# Altium PCB Stabilizer.PCBDOC (part 8 of 8)
Units mil, origin at the board's own origin, x right, y up, seen from the top; angles counter-clockwise.
Board outline 6397 x 3937 mil, 4 copper layers (Top, GP1(GND), L3, Bot), stack 64.883 mil thick; 687 components, 419 nets, 2137 pads, 1042 vias.
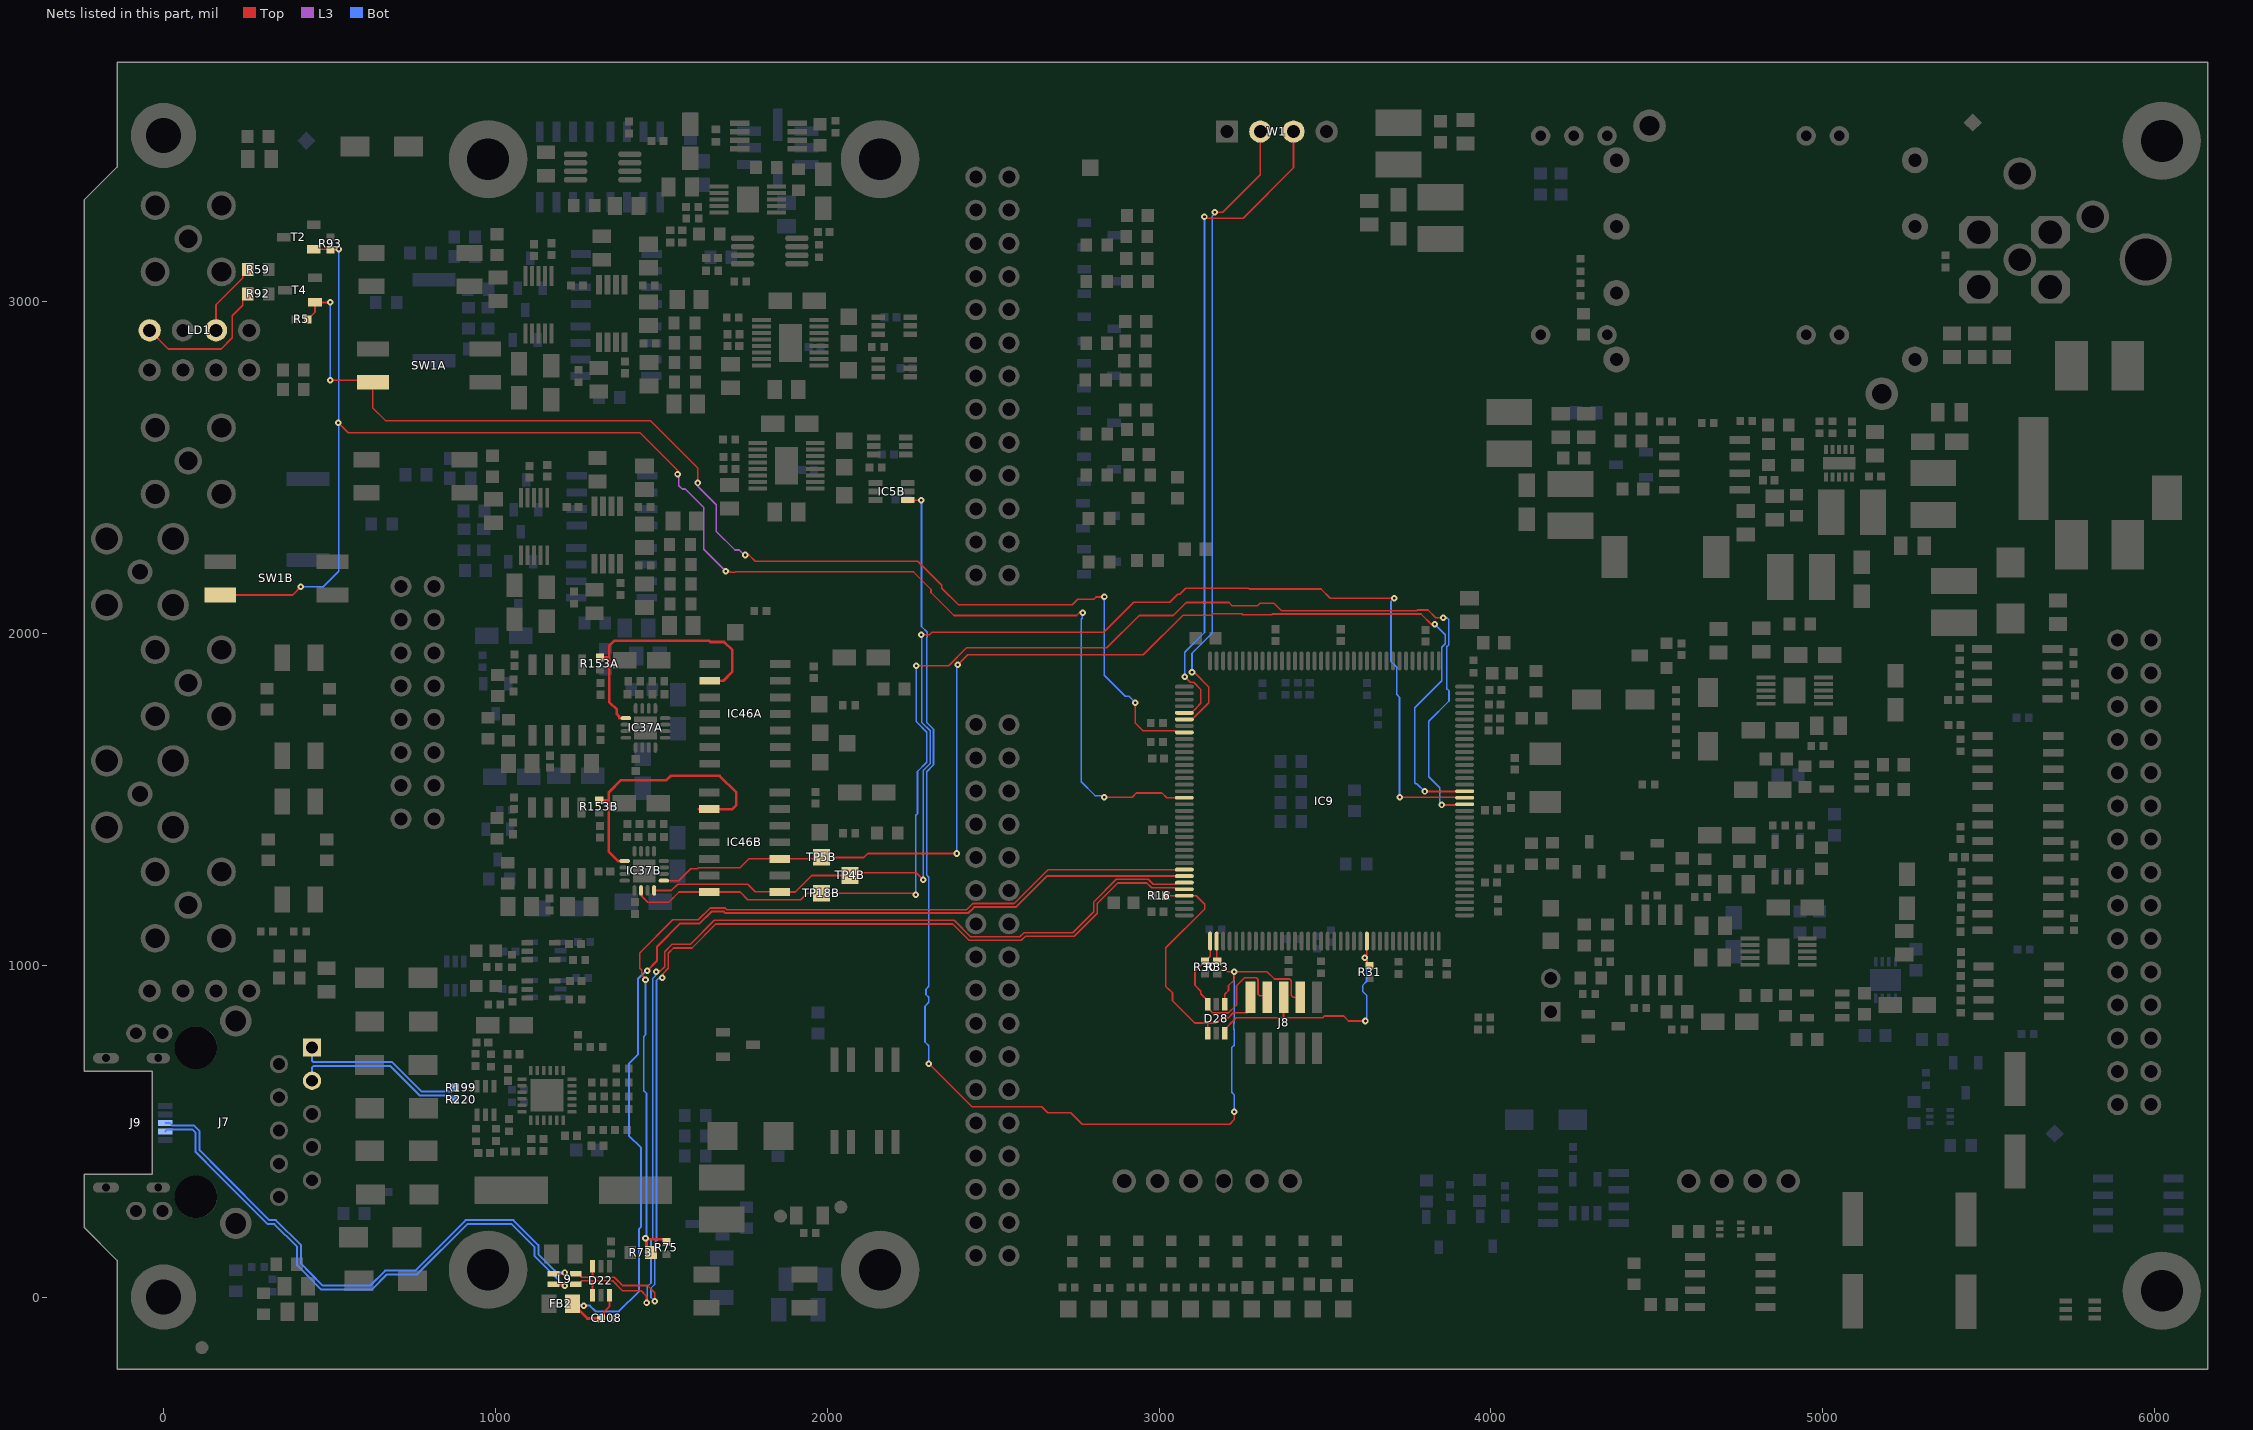
[diagram p10: the nets of this part, all layers, seen from the top]

## Via types
v1: diameter 19.68, hole 7.87, Top to Bot, tented both sides, 826 vias
v2: diameter 27.56, hole 19.68, Top to Bot, tented both sides, 83 vias
v3: diameter 19.68, hole 7.87, Top to Bot, 49 vias
v4: diameter 23.62, hole 11.81, Top to Bot, tented both sides, 41 vias
v5: diameter 50, hole 28, Top to Bot, tented both sides, 37 vias
v6: diameter 25.98, hole 12.99, Top to Bot, tented both sides, 5 vias
v7: diameter 39.37, hole 23.62, Top to Bot, tented both sides, 1 vias

## Nets (pads, with @x,y where several pads share a name; then routed paths per layer and width w, separated by ;. In a path a pad name is that pad's centre, name@x,y a point inside that pad or via, vN(x,y) a via of type N, cw(c..) or ccw(c..) an arc to the next point about the centre after c; other vN are vias at no path point) (continued)
SPI5_MOSI: IC9.20 IC37B.9 IC46B.10 TP5B.1 | length 3691.9
  Top w5: IC37B.9@1507.76,1254.73 1552.52,1254.73 1588.32,1290.54 1609.13,1290.54 1612.69,1294.1 1737.55,1294.1 1764.05,1320.6 1847.21,1320.6 1847.42,1320.39 1978.47,1320.39 TP5B.1@1982.81,1324.73 2110.15,1324.73 2122,1336.58 v1(2389.85,1336.58) ; v1(2393,1905) 2423,1935 2952.4,1935 3072.21,2054.81 3157.57,2054.81 3161.98,2059.21 3249.38,2059.21 3252.42,2056.17 3339.82,2056.17 3341.87,2058.22 3789.31,2058.22 3820.43,2027.09 v1(3830.83,2027.09) ; v1(3800,1523.5) 3919.68,1523.5 IC9.20@3920.4,1524.22
  Bot w5: v1(2389.85,1336.58) 2389.85,1897.88 2393,1901.03 v1(2393,1905) ; v1(3800,1523.5) 3776.76,1546.74 3773.67,1546.74 3770.58,1549.83 3770.58,1776.05 3851.28,1856.75 3851.28,1957.62 3862.35,1968.69 3862.35,1995.57 v1(3830.83,2027.09)
SPI5_NSS: IC9.18 IC37B.6 IC46B.7 TP18B.1 | length 3990.3
  Top w5: IC37B.6@1440.83,1227.17 1440.83,1207.75 1459.07,1189.51 1522.65,1189.51 1553.53,1220.39 1654.51,1220.39 1737.81,1220.39 1760.93,1197.27 1920.61,1197.27 1940.19,1216.86 TP18B.1@1982.71,1216.86 2258.17,1216.86 2263.03,1212 v1(2267,1212) ; v1(2267.92,1902.6) 2366.07,1902.6 2419.77,1956.3 2842.54,1956.3 2939.75,2053.51 3042.63,2053.51 3081.78,2092.66 3210.59,2092.66 3219.73,2083.51 3296.62,2083.51 3303.96,2090.86 3346.13,2090.86 3368.77,2068.22 3776.55,2068.22 3778.67,2070.34 3810.18,2070.34 3833.75,2046.77 v1(3856.06,2046.77) ; v1(3851.28,1482.81) 3918.36,1482.81 IC9.18@3920.4,1484.85
  Bot w5: v1(2267,1212) 2267,1451.86 2271.79,1456.65 2271.79,1583.45 2300.2,1611.85 2300.2,1702.26 2267.92,1734.53 v1(2267.92,1902.6) ; v1(3851.28,1482.81) 3846.06,1488.03 3846.06,1534.7 3812.8,1567.96 3812.8,1735.49 3873.41,1796.09 3873.41,1826.68 3866.84,1833.24 3866.84,1959.04 3872.35,1964.55 3872.35,2041.6 3867.17,2046.77 v1(3856.06,2046.77)
SPI5_SCK: IC9.19 IC37B.8 IC46B.8 TP4B.1 | length 3929.5
  Top w5: IC37B.8@1478.23,1225.2 1530.24,1225.2 1549.32,1244.29 1760.5,1244.29 1783.4,1221.38 1846.43,1221.38 1847.42,1220.39 1903.49,1220.39 1953.49,1270.39 TP4B.1@2068.71,1270.39 2077.14,1278.82 2268.05,1278.82 v1(2289,1257.87) v1@2285.03,1257.87 ; v1(2283.86,1996) 2308.1,1996 2315.73,2003.63 2833.3,2003.63 2923.18,2093.51 3032.08,2093.51 3056.59,2118.02 3062.11,2118.02 3080.31,2136.22 3268.97,2136.22 3271.53,2133.66 3487.64,2133.66 3515.46,2105.83 v1(3708.42,2105.83) ; v1(3724.53,1506.31) 3724.68,1506.16 3807.18,1506.16 3807.33,1506.31 3918.62,1506.31 IC9.19@3920.4,1504.53
  Bot w5: v1(2283.86,1996) 2285.27,1994.59 2285.27,1731.33 2310.2,1706.4 2310.2,1607.71 2289,1586.51 v1(2289,1257.87) ; v1(3708.42,2105.83) 3698.58,2096 3698.58,1915.22 3715.66,1898.15 3715.66,1816.43 3724.53,1807.55 v1(3724.53,1506.31)
TCK: D28.3 IC9.109 J8.4 R30.2 | length 550.1
  Top w5: IC9.109@3153.67,1072.45 3153.67,1026.73 R30.2@3138.52,1011.59 3108.03,981.1 3108.03,939.57 3125.88,921.72 3125.88,913.76 3146.63,893 3146.63,871.35 3156.85,861.13 3156.85,860.37 3161.24,855.97 3208.8,855.97 3233.06,880.24 3233.06,938.1 3257.33,962.37 3292.67,962.37 3297.8,957.24 3297.8,912.76 3302.93,907.63 3321.58,907.63 J8.4@3325.58,903.63
TD_N: J7.8 R220.2 | length 515.4
  Bot w6: J7.8@447.8,651.91 447.8,692.4 451.31,695.91 684.11,695.91 772.9,607.12 867.62,607.12 878.96,595.79 R220.2@878.96,595
TD_P: J7.10 R199.2 | length 515.4
  Bot w6: J7.10@447.8,751.91 447.8,711.43 451.31,707.91 689.08,707.91 777.87,619.12 867.62,619.12 878.96,630.46 R199.2@878.96,631.25
TDI: D28.1 IC5B.1 IC9.110 J8.8 R33.2 | length 3731.7
  Top w5: IC5B.1@2242.23,2401.41 2283.13,2401.41 v1(2283.86,2400.68) ; v1(2306.34,703.56) 2436.02,573.88 2646.48,573.88 2664.76,555.6 2733.4,555.6 2768.22,520.77 3212.77,520.77 3226.87,534.87 v1(3226.87,558.41) ; IC9.110@3173.35,1072.45 3173.35,1013.31 R33.2@3175.07,1011.59 3205.96,980.7 v1(3226.14,980.7) ; D28.1@3197.82,882.18 3197.82,912.44 3209.16,923.79 3209.16,938.66 3226.14,955.64 v1(3226.14,980.7) ; J8.8@3425.58,903.63 3403.51,903.63 3398.38,908.76 3398.38,953.24 3393.25,958.37 3347.44,958.37 3325.12,980.7 v1(3226.14,980.7)
  Bot w5: v1(2283.86,2400.68) 2283.86,2020.53 2301.2,2003.18 2301.2,1988.82 2299.66,1987.27 2299.66,1731.08 2320.2,1710.54 2320.2,1603.57 2299.66,1583.03 2299.66,1271.74 2306.34,1265.06 2306.34,936.43 2297.66,927.75 2297.66,911.82 2306.34,903.13 2306.34,887.87 2294.66,876.18 2294.66,768.82 2306.34,757.13 v1(2306.34,703.56) ; v1(3226.14,980.7) 3226.14,826.07 3224.98,824.91 3224.98,807.28 3226.14,806.12 3226.14,758.95 3219,751.81 3219,616.91 3226.87,609.04 v1(3226.87,558.41)
TDO: D28.6 IC9.133 J8.6 R31.2 | length 797.6
  Top w5: D28.6@3192.65,801.23 3232.62,841.19 3363.31,841.19 3364.15,842.03 3375,842.03 ; J8.6@3375.58,903.63 3375,903.05 3375,842.03 ; v1(3621.76,831.84) 3570.73,831.84 3555.88,846.69 3497.45,846.69 3492.79,842.03 3375,842.03 ; IC9.133@3626.11,1072.45 3626.11,1006.23 R31.2@3634.39,997.95
  Bot w5: v1(3621.76,831.84) 3626.11,836.19 3626.11,908.43 3613.11,921.43 3613.11,939.06 3626.11,952.06 v1@3626.11,1023
  other v1: 3620,1023
TERM0: LD1.1 R92.1 | length 431.9
  Top w5: LD1.1@-41.57,2912.92 14.76,2856.58 173.77,2856.58 207.68,2890.49 207.68,2957.29 238.74,2988.35 R92.1@238.74,3022.92
TERM1: LD1.3 R59.1 | length 216.1
  Top w5: LD1.3@158.43,2912.92 158.43,2990.12 238.74,3070.43 R59.1@238.74,3095.76
TERM_STAT0: IC9.80 R5.2 SW1A.2 T4.1 | length 3677.7
  Top w5: R5.2@434.41,2945.77 456.46,2967.81 T4.1@456.46,2996.95 501.43,2996.95 v1(502.21,2997.73) ; v1(503,2763) SW1A.2@624.7,2763 ; SW1A.2@630.91,2756.79 630.91,2679.07 668.98,2641 1467,2641 1610,2498 v1(1610,2453) ; v1(1753,2236) 1764.05,2236 1783.05,2217 2272.96,2217 2344.85,2145.11 2344.85,2136.05 2395.27,2085.63 2737.99,2085.63 2754.86,2102.5 2802.97,2102.5 2809.82,2109.34 2824.18,2109.34 2829.46,2104.07 v1(2835.39,2110) ; v1(2928.09,1790.66) 2928.09,1729.63 2951.22,1706.5 3046.31,1706.5 3051.43,1701.38 IC9.80@3075.91,1701.38
  L3 w5: v1(1610,2453) 1610,2443 1666,2387 1666,2307 1721.95,2251.05 1734.82,2251.05 1751.61,2234.27 1753,2235.66 v1(1753,2236)
  Bot w5: v1(502.21,2997.73) 502.21,2763.79 v1(503,2763) ; v1(2835.39,2110) 2834,2108.61 2834,2099.53 2834.34,2099.18 2834.34,1873.83 2897.85,1810.33 2909.14,1810.33 2928.09,1791.37 v1(2928.09,1790.66)
TERM_STAT1: IC9.90 R93.2 SW1B.2 T2.1 | length 4881.8
  Top w5: SW1B.2@171.02,2115.65 389.08,2115.65 v1(413.43,2140) ; T2.1@452.8,3156.74 502.21,3156.74 R93.2@503,3155.96 527.32,3155.96 v1(528.11,3156.74) ; v1(527,2634) 556.84,2604.16 1435.84,2604.16 1549,2491 v1(1549,2479) ; v1(1694,2187) 1698.66,2191.66 1699.82,2191.66 1707.82,2183.66 1722.18,2183.66 1723.53,2185 2259.71,2185 2312.85,2131.85 2312.85,2122.79 2382.01,2053.63 2751.25,2053.63 2760.12,2062.5 v1(2770.5,2062.5) ; v1(2835,1506.43) 2918.72,1506.43 2931.29,1519 3008.46,1519 3022.93,1504.53 IC9.90@3075.91,1504.53
  L3 w5: v1(1549,2479) 1552.66,2475.34 1552.66,2444.82 1562.82,2434.66 1572.49,2434.66 1628,2379.15 1628,2253 v1(1694,2187)
  Bot w5: v1(413.43,2140) 481,2140 528.11,2187.11 v1(528.11,3156.74) ; v1(2770.5,2062.5) 2768.52,2060.52 2768.52,2045.16 2765.5,2042.13 2765.5,1552.27 2806.72,1511.05 2826.4,1511.05 2831.03,1506.43 v1(2835,1506.43)
TMS: D28.4 IC9.105 J8.2 R16.2 | length 825.8
  Top w5: R16.2@3019.58,1209.26 IC9.105@3075.91,1209.26 3112.25,1209.26 3137.54,1183.96 3137.54,1169.59 3020.45,1052.5 3020.45,935.82 3030.61,925.66 3031.44,925.66 3040.31,916.78 3040.31,893.31 3107.56,826.06 3149.73,826.06 ; D28.4@3146.63,795.56 3146.63,822.97 3149.73,826.06 ; J8.2@3275.58,903.63 3266.6,894.65 3266.6,856.37 3223.33,856.37 3207.96,841 3187.16,841 3172.23,826.06 3149.73,826.06
USART3_RX: IC9.78 W1.2 | length 1940.4
  Top w5: IC9.78@3075.91,1740.75 3100.15,1740.75 3149.88,1790.48 3149.88,1838.31 3107.3,1880.89 3100.97,1880.89 v1(3099.12,1882.74) ; v1(3167.09,3268.28) 3191.73,3268.28 3304.88,3381.43 W1.2@3304.88,3511.77
  Bot w5: v1(3099.12,1882.74) 3099.12,1913.99 3098.92,1914.19 3098.92,1939.65 3160.21,2000.93 3160.21,3257.42 3167.09,3264.3 v1(3167.09,3268.28)
USART3_TX: IC9.77 W1.3 | length 2021.8
  Top w5: IC9.77@3075.91,1760.44 3097.82,1760.44 3111.95,1774.57 3111.95,1775.04 3125.88,1788.96 3125.88,1830.81 3104.1,1852.59 3093.41,1852.59 v1(3077,1869) ; v1(3136.69,3255.44) 3141.2,3250.93 3253.13,3250.93 3404.88,3402.69 W1.3@3404.88,3511.77
  Bot w5: v1(3077,1869) 3077,1942.52 3136.69,2002.21 v1(3136.69,3255.44)
USB_ID: C108.2 D22.6 FB2.1 IC9.102 | length 3184.8
  Top w6: FB2.1@1232.92,-20.15 1239.77,-27 1240.77,-26 v1(1266.89,-26) ; C108.2@1318.66,-64.44 1327.87,-55.23 1327.87,-44.68 1343.77,-28.77 D22.6@1343.77,5.69 ; v1(1458.04,983.73) 1487.14,1012.83 1487.14,1056.14 1557,1126 1615.7,1126 1651.43,1161.73 1688.3,1161.73 1693.14,1156.9 2424.1,1156.9 2442.45,1175.24 2568.3,1175.24 2662.29,1269.23 3074.99,1269.23 IC9.102@3075.91,1268.31
  Top w8: FB2.1@1239.77,-27 1277.21,-64.44 C108.2@1318.66,-64.44
  Bot w6: v1(1266.89,-26) 1285,-26 1301.79,-42.79 1372.44,-42.79 1433,17.77 1433,205.83 1439,211.83 1439,450 1402.56,486.44 1402.56,703.56 1429.16,730.16 1429.16,958.43 1454.46,983.73 v1(1458.04,983.73)
USB_N: D22.4 IC9.103 L9.2 | length 3117.8
  Top w5: L9.2@1242.44,38.53 1252.28,38.53 1257.65,43.91 1257.65,45.85 1260.58,48.78 1294.2,48.78 ; D22.4@1292.59,5.69 1292.59,47.18 1294.2,48.78 ; D22.4@1297.43,18.96 D22.4@1298.5,17.9 ; v1(1455.51,-17.16) 1455.51,2.61 1439.16,18.96 1383.38,18.96 1364.37,37.97 1364.37,38.22 1353.81,48.78 1294.2,48.78 ; v1(1485.18,979.98) 1487.6,982.41 1497.28,982.41 1510.12,995.25 1510.12,1040.88 1532.11,1062.87 1587.83,1062.87 1660.02,1135.07 2382.32,1135.07 2431.65,1085.74 2580.4,1085.74 2592.75,1098.09 2739.62,1098.09 2802.84,1161.31 2802.84,1190.4 2871.16,1258.73 2967.65,1258.73 2982.09,1244.29 3047.09,1244.29 3051.43,1248.63 IC9.103@3075.91,1248.63
  Bot w5: v1@1458.04,-25.14 1458.04,31.65 1468.79,42.4 1468.79,169.23 1474.53,174.97 1474.53,959.66 1482.75,967.88 1482.75,977.56 v1(1485.18,979.98)
USB_P: D22.3 IC9.104 L9.3 | length 3109.7
  Top w5: L9.3@1242.44,70.03 1252.28,70.03 1257.65,64.66 1257.65,62.71 1260.58,59.78 1291.54,59.78 ; D22.3@1292.59,92.31 1292.59,60.84 1291.54,59.78 ; v1(1480.2,-12.4) 1480.2,12.83 1458.28,34.75 1383.15,34.75 1378.69,39.21 1378.69,39.72 1372.41,46 1372.15,46 1358.37,59.78 1291.54,59.78 ; v1(1502.63,962.53) 1505.06,964.95 1505.06,974.63 1521.12,990.69 1521.12,1036.33 1536.67,1051.87 1592.38,1051.87 1664.58,1124.07 2377.76,1124.07 2427.09,1074.74 2584.95,1074.74 2597.31,1087.09 2744.17,1087.09 2813.84,1156.75 2813.84,1185.85 2875.72,1247.73 2963.09,1247.73 2977.54,1233.29 3047.09,1233.29 3051.43,1228.94 IC9.104@3075.91,1228.94
  Bot w5: v1(1480.2,-12.4) 1469.04,-1.23 1469.04,27.09 1479.79,37.85 1479.79,164.68 1485.53,170.42 1485.53,955.1 1490.53,960.1 1500.21,960.1 v1(1502.63,962.53)
USBJ_N: J9.2 L9.1 | length 1681.3
  Top w6: L9.1@1175.51,38.53 1205.03,38.53 v1(1208.97,34.6)
  Bot w6: J9.2@5.67,499.54 11.53,505.39 86.24,505.39 96.65,494.98 96.65,437.2 162.5,371.35 260.53,273.31 314.11,219.73 333.83,219.73 402.5,151.06 402.5,95.57 432.59,65.48 475.53,22.54 627.2,22.54 672.6,67.94 763.64,67.94 915.43,219.73 1049.24,219.73 1073.2,195.77 1117.67,151.31 1117.67,124.41 1207.48,34.6 v1(1208.97,34.6)
USBJ_P: J9.3 L9.4 | length 1670.7
  Top w6: L9.4@1175.51,70.03 1205.03,70.03 v1(1208.97,73.97)
  Bot w6: J9.3@5.67,525.13 18.46,525.13 26.2,517.39 91.21,517.39 108.65,499.95 108.65,442.17 170.98,379.83 319.08,231.73 338.8,231.73 414.5,156.03 414.5,100.54 441.08,73.97 480.5,34.54 622.23,34.54 667.63,79.94 758.67,79.94 910.46,231.73 1054.21,231.73 1081.68,204.26 1129.67,156.28 1129.67,129.38 1179.1,79.94 1185.08,73.97 v1(1208.97,73.97)
VBUS_DET: IC9.101 R73.1 R75.2 | length 2739.9
  Top w5: v1(1452.45,956.49) 1452.45,960.46 1447.56,965.35 1440.7,972.21 1440.7,984.83 1435.09,990.43 1435.09,1036.62 1534.97,1136.5 1611.35,1136.5 1647.09,1172.23 1692.65,1172.23 1697.49,1167.4 2419.76,1167.4 2438.1,1185.74 2563.95,1185.74 2665.41,1287.19 3075.1,1287.19 IC9.101@3075.91,1288
  Top w8: R73.1@1469.14,133.95 1455.42,147.67 1455.42,170.56 1452.44,173.54 v1(1452.44,176.7) 1454.67,174.47 1462.77,174.47 1462.97,174.27 1502.66,174.27 1502.97,173.96 1508.13,173.96 R75.2@1515.55,166.54
  Bot w5: v1(1452.44,176.7) 1455.28,179.54 1455.28,613.81 1447,622.09 1447,784.58 1452.45,790.03 v1(1452.45,956.49)
VOUTA: IC37A.1 IC46A.2 R153A.1 | length 804.2
  Top w8: R153A.1@1314.8,1927.09 1343.7,1927.09 ; IC37A.1@1395.35,1744.41 1373.88,1744.41 1372.94,1745.35 1372.94,1749.9 1365.84,1757 1365.84,1769.86 1343.7,1792 1343.7,1927.09 ; IC46A.2@1656.06,1857.07 1687.04,1857.07 1714.27,1884.31 1714.27,1949.02 1689.31,1973.97 1648.02,1973.97 1644.49,1977.5 1358.01,1977.5 1343.7,1963.19 1343.7,1927.09
VOUTB: IC37B.1 IC46B.2 R153B.1 | length 852
  Top w8: R153B.1@1313.03,1496.46 1341.93,1496.46 ; IC37B.1@1393.59,1313.79 1369.8,1313.79 1341.93,1341.66 1341.93,1496.46 ; 1613.78,1470.39 1713.99,1470.39 1726.12,1482.53 1726.12,1520.07 1675.69,1570.49 1528.53,1570.49 1515.41,1557.37 1378.2,1557.37 1341.93,1521.11 1341.93,1496.46
pads on no net: CON1.9 D2.2 D4.2 D5.2 D6.2 D22.1 D26.1 D26.6 D30.1 D30.6 FTG1.FTG2 FTG2.1 FTG3.1 FTG4.1 IC1A.4 IC1B.4 IC3.9 IC6.5 IC9.7 IC9.26 IC9.55 IC9.98 IC9.114 IC9.132 IC13.4 IC16.4 IC17.4 IC17.5 IC17.6 IC17.9 IC19.4 IC24.1 IC29.3 IC29.4 IC29.6 IC30.5 IC30.6 IC35.1 IC36.3 IC36.5 IC36.6 IC37A.7 IC37B.7 IC38A.13 IC38A.15 IC38B.13 IC38B.15 IC39.3 IC39.4 IC39.6 IC46A.9 IC46B.9 IC48.1 IC48.2 IC48.3 IC48.7 J4.14 J7.MH1 J7.MH2 J8.7 J14.2 RN5A.2 RN5A.7 RN5B.2 RN5B.7

## Polygon pours and split planes (outlines as drawn)
no net on Top "balancing_top" (solid, pour order 74): -116.75,3632 5349.86,3632 5349.86,2900.17 5117.55,2900.17 5113.38,2352.46 4554.24,2352.46 4552.47,2113.47 4600.53,2070.34 5117.55,2068.14 5113.38,1977.27 5927.93,1979.79 5927.93,1650.19 5999.44,1555.05 6000.53,794.79 5790.24,580 4580,580 4447,463.69 4447,-165.38 -115.97,-165.38 -122.17,124.38 -225,220.51 -225,3297.49 -122.17,3400.32
P12V0 on Top "d" (solid, remove dead copper, pour order 2): 4601,-12.4 4674.6,-12.4 4732.76,45.76 4732.76,217.08 4711.84,238 4675,238 4625,288 4625,433 4638,446 4983,446 5078.67,350.33 5190.98,350.33 5208.01,367.36 5529.29,367.36 5529.29,147.3 5765.38,147.3 5765.38,-18.1 6135.5,-18.1 6135.5,2542.05 5674,2545.16 5674,2424.02 5231.65,2423.05 5231.65,1988 5938.65,1988 5938.65,1674.82 6017.39,1596.08 6017.39,1399.23 6017.39,786.67 5795.55,564.83 5252.96,564.83 4573.83,564.83 4464,455 4464,37.81 4516,-14.19 4530,-14
P12V0POE on Top "Top-NetC90_1" (solid, remove dead copper, pour order 42): 4893,-50 5082.6,139.6 5504,139.6 5504,355.66 5222.68,355.9 5207.78,341 5068.24,341 4965.24,444 4654.07,444 4633,422.93 4633,299.64 4717,215.64 4717,-12 4755,-50
GND on Top "Top-GND" (solid, remove dead copper, pour order 54): 5106.13,90.13 5606.87,90.13 5642,55 5642,-97 4967,-97 4943,-73
N12V0A on Top "ML1_BAL" (solid, remove dead copper, pour order 20): 4989.06,874.37 4989.06,788.2 4957.12,756.26 4954.16,753.3 4627,753.3 4627,960.94 4907.19,960.94
P2V5A on Top "Top-P2V5A" (solid, remove dead copper, pour order 44): 4303,1526 4401.05,1526 4427.05,1500 4839,1500 4892,1447 4892,1337.22 4851.78,1297 4638,1297 4638,1328.53 4572.53,1394 4330,1394 4282,1442 4282,1509.67 4298,1525.67
P12V0A on Top "ML1_BAL" (solid, remove dead copper, pour order 22): 4859.68,1950.26 4859.67,2050.55 4664.79,2050.55 4563.32,1949.07 4563.32,1778.71 4676.32,1665.7 4836.05,1665.7 4842.94,1665.7 4858.69,1681.45 4859.68,1682.44 4859.68,1739.52
P12V0FIL on Top "Top Overlay-No Net" (solid, remove dead copper, pour order 18): 5559.31,2870.88 5559.31,2431.66 5136,2431.66 5136,2870.88
P3V3 on Top "Top-P3V3" (solid, remove dead copper, pour order 46): 4902.61,2335 4942,2295.61 4942,2109 4912.09,2079.09 4608.91,2079.09 4558,2130 4558,2319 4574,2335
P12V0F on Top "Top-P12V0F" (solid, remove dead copper, pour order 26): 5820.27,2702 5820.27,3147.27 5890.54,3217.54 5890.54,3290 5826,3343 5587,3343 5587,2965 5366,2965 5366,3539 6146,3539 6146,2871 5977,2702
GNDF on Top "Top-GNDF" (solid, remove dead copper, pour order 24): 5603,2725.62 5629.62,2699 5811.21,2699 5811.21,3143.21 5882,3214 5882,3283 5829,3330 5603,3330
GND on L3 "GND_L03_P052" (solid, remove dead copper, pour order 52): -120.32,-197.31 5583,-197.31 5583,465 6002.36,465 5987.21,2134 5450.17,2134 5447,2430.64 6129,2430.64 6129,3690 -120.32,3690.48 -120.32,3401.11 -218.74,3302.69 -218.74,212.83 -120.32,114.4 -120.32,69 557.76,69 734.36,245.6 734.36,261.39 495,500.74 495,1032.75 495,3198.46 516.32,3219.78 2586.29,3219.78 2611.41,3194.65 3707.5,3194.65 4471.52,2430.64 4663.15,2430.64 4734.68,2359.11 4734.68,2335.36 4904.78,2165.25 4904.78,2086.4 4912.09,2079.09 5550.78,2079.09 5834.41,1795.46 5834.41,516.19 5809.89,491.66 5027.33,491.66 4836.05,682.94 4836.05,766.31 4702.31,766.31 4237.91,301.91 3490.86,301.91 3192.91,301.91 2723.21,-167.79 1519.22,-167.79 1519.22,190.23 817.56,190.23 763.78,244.01 745.83,244.01 745.83,241.4 560.1,55.68 -115.99,55.68 -120.32,60
P3V3 on L3 "L3-P3V3" (solid, remove dead copper, pour order 32): 1118,446 1118,1066.12 1134.1,1082.21 1533.27,1082.21 1664,1212.94 1664,1950 1861,2147 2305,2147 2399,2241 2399,3182 3701,3182 4468,2415 4658,2415 4710,2363 4710,2325 4715.14,2325 4969.14,2071 5548,2071 5824,1795 5824,523 5794,493 5787,500 5029,500 4872,657 4872,1882 4649,1882 4624.88,1857.88 4624.88,1249.25 4170.26,794.63 2480.35,794.63 2131.72,446
P12V0 on L3 "ML1_BAL" (solid, remove dead copper, pour order 14): 5596.41,447 6001.73,447 6001.73,491.66 6001.73,2088.12 5944.65,2145.2 5461.62,2145.2 5461.62,2412.23 6139.53,2412.23 6139.53,149 5596.41,149
P12V0A on L3 "P12V0A_L03_P060" (solid, remove dead copper, pour order 60): 1115.96,3185.87 1115.96,2186.97 943.91,2014.92 943.91,1775.66 951.62,1775.66 1016.69,1710.59 1016.69,1330.25 715.52,1029.08 715.52,451.25 883.77,283 2552.26,283 2760.92,491.66 4177.05,491.66 4540.53,855.13 4723.64,855.13 4759.45,890.94 4755,895.39 4755,978.06 4695,1038.06 4695,1288.23 4631.5,1351.73 4638,1358.23 4638,1805.44 4685.24,1852.68 4815.32,1852.68 4864,1804 4864,858.69 4785.81,780.5 4680.53,780.53 4234.18,334.18 3579.04,334.18 3488.49,424.73 2879.69,424.73 2800.33,345.38 2800.33,184.46 2586.61,-29.27 2346.62,-29.27 2111.3,206.06 824.1,206.06 516.3,513.85 516.3,1066.34 516.3,3183.71 534.38,3201.78 1100.04,3201.78
P5V0A on L3 "P5V0A_L03_P064" (solid, remove dead copper, pour order 64): 4682.51,1169.45 4682.51,1040.23 4667.46,1025.18 4586.78,1025.18 4214.6,653 2714.47,653 2617.74,556.26 2336.17,556.26 2140.32,360.42 945.54,360.42 827.65,478.31 827.66,950.39 1084.75,1207.48 1301.15,1207.48 1328.64,1234.97 1328.64,1930.68 1393.17,1995.21 1393.17,3151.7 1447.26,3205.8 1872.31,3205.8 1922.83,3155.27 1922.83,3049.55 1838.2,2964.91 1838.2,2145.38 1651.34,1958.52 1651.34,1235.77 1517.96,1102.39 1135.58,1102.39 1107.56,1074.38 1107.56,844.04 937.7,844.04 905,811.34 905,489.43 955.36,439.07 2133.59,439.07 2481.46,786.94 4176.83,786.94 4560.69,1170.79 4681,1170.79
N12V0A on L3 "N12V0A_L03_P062" (solid, remove dead copper, pour order 62): 1131.86,3203.02 1126,3197.15 1126,2176.11 951.62,2001.73 951.62,1793.82 1027.58,1717.86 1027.58,1324.08 734.36,1030.86 734.36,459.25 904.32,289.29 2547.35,289.29 2769.41,511.35 3843.72,511.35 4187.29,511.35 4541.62,865.68 4718.26,865.68 4748.38,895.8 4748.38,975.65 4709.81,1014.22 4578.12,1014.22 4203.2,639.3 3882.26,639.3 2718.14,639.3 2629.56,550.72 2336.92,550.72 2144.05,357.85 933.57,357.84 820,471.42 820,961.26 1078.75,1220.01 1309.85,1220.01 1309.85,1926.94 1372.05,1989.13 1372.05,3203.02
GND on L3 "NONET_L-01_P-001" (solid, remove dead copper, pour order 68): 2778,1492.91 2778,1752.19 2825.62,1799.81 3176.87,1799.81 3207.46,1830.4 3654.31,1830.4 3654.31,1788.79 3566.98,1701.46 3406.58,1705.63 3338.81,1637.87 3045.29,1637.87 2868.8,1461.38 2868.8,1407.87 2836.36,1375.42 2765.87,1375.42 2759.18,1382.12 2759.18,1474.09
AVDDT_PHY on L3 "L3-AVDDT_PHY" (solid, remove dead copper, pour order 30): 911.33,802.66 940.51,831.84 1108,831.84 1108,508 1064,464 1062,466 942.56,466 911.33,497.23 911.33,734.83
P6V0A on L3 "NONET_L-01_P-001" (solid, remove dead copper, pour order 70): 4979.06,1058.86 5123.09,1058.86 5123.09,973.93 4979.06,973.93
P2V5A on L3 "L3-P2V5A" (solid, remove dead copper, pour order 34): 2288.74,2160 2381,2252.26 2381,3208 2105,3208 1846,2949 1846,2166 1852,2160
no net on Bot "balancing_top" (solid, pour order 75): -116.75,3632 6159,3632 6159,768 5811.6,768 5815.68,392 4931.64,392 4632.32,92.68 2748.25,92.68 2621.18,182.18 2426.87,182.33 2330,281.09 2140.62,281.09 2137.41,-166.99 -115.97,-165.38 -122.17,124.38 -225,220.51 -225,3297.49 -122.17,3400.32
P12V0 on Bot "Bot-P12V0" (solid, remove dead copper, pour order 48): 2163.84,258.46 2163.84,-56.21 2229.84,-122.21 5665.62,-112.67 5896.56,141.62 5897.22,385.29 4952.6,385.29 4643.1,75.79 2734.84,75.79 2640.84,169.79 2418.84,169.79 2319.84,268.79 2172.84,268.79 2165.84,261.79
P12V0_EEM on Bot "O8_Vs2" (solid, remove dead copper, pour order 73): 5919,141.62 6097.62,141.62 6142,186 6142,747.48 5820.82,747.48 5823,456.16 5919,456.16
GND on GP1(GND) (split plane): 6138.9,-196.9 -119.9,-196.9 -119.9,110.55 -120.09,112.44 -120.28,114.42 -120.29,114.45 -120.29,114.47 -120.84,116.29 -121.42,118.2 -121.43,118.22 -121.43,118.24 -122.35,119.95 -123.26,121.68 -123.28,121.69 -123.29,121.71 -124.54,123.23 -125.76,124.73 -217.9,217.3 -217.9,349.52 -33.27,349.52 -29.35,349.9 -25.58,351.05 -22.1,352.9 -19.06,355.4 -16.56,358.45 -14.7,361.92 -13.56,365.69 -13.17,369.61 -13.17,680.64 -13.56,684.56 -14.7,688.33 -16.56,691.8 -19.06,694.85 -22.1,697.35 -25.58,699.2 -29.35,700.35 -33.27,700.73 -217.9,700.73 -217.9,3298.72 -165.16,3351.47 -125.79,3390.84 -123.29,3393.88 -121.43,3397.36 -120.29,3401.13 -119.9,3405.05 -119.9,3699.9 6138.9,3699.9

## Keep-outs
Top:
  lines w10: -122.17,125.08 52.92,125.08 110,68 110,37.92 ; 82,3381 109,3408 109,3465 ; 109.02,3530 109.02,3586.02 127,3604 5361.7,3604 5414.7,3657 6142.54,3657 ; 110,-31.96 110,-89 119.89,-98.89 643,-98.89 ; 832,-128 2052,-128 2070.11,-109.89 6117.63,-109.89 ; 1667.76,1987.97 1667.76,2193.25 1715.14,2240.64 1720.24,2240.64 ; 1798.98,2239 2312.9,2239 2373.8,2178.1 2373.8,2146.99 2415.92,2104.86 2732.82,2104.86 2761.61,2133.66 2864.49,2133.66 2893.45,2162.61 3039.69,2162.61 3065.97,2188.89 3117.87,2188.89 ; 2588.17,2201 2624.3,2201 2652.96,2229.65 2744.35,2229.65 2768.17,2253.47 2981.75,2253.47 3040.28,2312 3997.87,2312 4013.31,2296.56 4047.01,2296.56 4047.01,2364.79 4030.37,2381.43 3997.34,2381.43 3972.77,2356.86 3006.45,2356.86 2946.59,2297 2783.23,2297 2758.23,2322 2658.27,2322 2610.54,2274.27 2596.22,2274.27
L3:
  lines w20: 3196.09,279.43 3415.25,279.43 3460.55,324.73 3460.55,370.89 3422.24,409.21 3200.36,409.21
Bot:
  lines w10: -139,3381 82,3381 109.02,3408.02 109.02,3586.02 137,3614 6138,3614 ; -126,126 49,126 110,65 110,37.92 ; 110,67 110,37.92 ; 3589.45,2440 3633,2396.45 3633,2277 3633,2204 3605.39,2176.39 3605.39,2171.16 3605.39,2029 ; 3634.39,2024 3634.39,2166.16 3660,2191.77 3660,2645.44 3636.77,2668.67 3636.77,2713.02 3649.66,2725.91 3704.33,2725.91 3712.95,2717.29 3712.95,2691.3 3703.66,2682 3703.66,2159.17 3678.9,2134.41 3678.9,2029.4 3685.16,2023.13 ; 3885.59,1749.93 3851.28,1715.62 3851.28,1583.3 3879.93,1554.65 3895.02,1539.57 3895.02,1259.17 3922.99,1231.2 3922.99,1143.24 3922.99,652.06 ; 3920.4,1692.28 3920.4,1875.45 3912.95,1882.9 3912.95,1924.69 3895.43,1942.21 3895.43,2158.58 3885.59,2168.42 3885.59,2574.86 3901.63,2590.89 3941.87,2590.89 ; 3922.99,658.98 3922.99,451.79 3905.28,434.08 3905.28,413.84 3925.88,393.24 3956.35,393.24 3980.44,417.32 3980.44,449.6 3958.78,471.25 3958.78,611.06 3958.78,1309.45 3967,1317.67 3967,1367.65 ; 3924.96,2590.89 3941.87,2590.89 ; 3964.33,1518.42 3964.33,1720.66 ; 3964.33,1763.83 3964.33,1879.82 3964.33,1934.22 3974.17,1944.06 3974.17,1992.66 3954.49,2012.34 3951.28,2015.55 3951.28,2117.55 3958.78,2125.06 3958.78,2127.13 3961.86,2130.2 3961.86,2307.46 3961.86,2498.86 3983.14,2520.14 3983.14,2549.62 3941.87,2590.89 ; 6142,-110.19 5720.81,-110.19 2568.19,-110.19 2557,-99 2130,-99 2106,-123 1300,-123 1276,-99 849,-99 795.54,-152.46 746.07,-152.46 690.61,-97 118,-97 110,-89 110,-31.96 110,-29 121,-18 121,26.92 110,37.92 ; 3462.36,2834.18 3462.36,2846.9 3486.37,2870.9 3512.68,2870.9 3531.26,2852.32 3531.26,2812.55 3525.5,2806.79 3525.5,2170.65 3562,2134.15 3562,2006.4 3552.08,1996.49 3552.08,1903.91 3587.41,1868.58 3587.41,1860.86 3587.41,1831.41 3563,1807 3535.18,1807 3501.73,1840.45 3501.73,1854.98 3501.73,1868.4 3491,1879.13 3491,1934.23 3476.2,1949.03 3476.2,1988.42 3501.73,2013.95 3501.73,2116.32 3476.2,2141.86 3476.2,2751.14 3468.63,2758.72 3468.63,2827.92 3462.36,2834.18 ; 3731.61,1962.07 3731.61,2033.84 3731.61,2051.98 3747.8,2068.17 3747.8,3132.82 3757.63,3142.65 3795.09,3142.65 3826.54,3111.21 3826.54,3075.12 3826.54,2244.29 3826.54,2078.94 3814.06,2066.46 3806.85,2059.25 3806.85,2018.61 3812.8,2012.66 3812.8,1854.33 3793.47,1835 3778.14,1835 3762.95,1850.19 3762.95,1930.73 3731.61,1962.07
  lines w20: 3161.17,260.98 3412.9,260.98 3460.12,308.2 3460.12,370.31 3423.8,406.63 3219,406.63
KeepOutLayer:
  drawing of 3462 lines, arcs and shapes, not listed

## Other copper
Top:
  rectangle net N13V0: 5113.38,930.39 5208.69,975.02
  rectangle net P5V0A: 4659,1054.16 4685.83,1080.15
  rectangle net P12V0F: 5574.35,3051.34 5587,3092.46
  rectangle net P12V0F: 5570.65,3149.63 5587,3205.97
  rectangle net P12V0F: 5524.29,3125.52 5587,3149.63
  rectangle net P6V0: 5088.35,2447.47 5106.81,2471.09
  rectangle net GND: 2255.57,2419.22 2272.96,2435.85
  rectangle net GND: 5503.33,1987.56 5630.05,2102.55
  rectangle net P12V0: 5511.2,2149.61 5622.63,2270.88
  rectangle net LVDS5_P: 5735.3,1130 5754.95,1149.93
  rectangle net LVDS0_P: 5714,1894.43 5731,1915.21
  rectangle net LVDS0_P: 5731,1900.54 5752,1915.21
  rectangle net LVDS0_N: 5717,1935.86 5750,1953.21
  rectangle net LVDS4_P: 5712.66,1205.05 5751,1223
  rectangle net LVDS4_N: 5715,1246 5754,1261.79
  rectangle net GND: 1510,2745.04 1539.86,2756.79
  rectangle net P3V3A: 4909,1300 4964,1330
  rectangle net GND: 5048.98,2504.56 5185,2524
  region net NetC10_1: 259.83,3405.4 259.83,3500 240,3500 240,3405.4
  rectangle net NetC10_1: 76.39,3488.56 253.5,3508.39
  rectangle net NetC11_1: 31.26,-9.95 195.63,15.28
  rectangle net GND: 4741.57,1304.48 4763.22,1321.22
  region net P6V0: 5094.25,2453.38 5094.25,2458.75 5082.71,2458.75 5082.71,2453.38
  region net P6V0: 5054.88,2454.36 5054.88,2460.27 5043.07,2460.27 5043.07,2454.36
L3:
  rectangle net P3V3A: 4910.64,1302 4962.06,1331
  pour cut-out: -227,688 -80.4,688 -71,678.6 -71,367 -81.29,356.71 -223.8,356.71 -227.04,359.95
Bot:
  rectangle net NetIC9_59: 3411.24,1849.5 3423.62,1873
GP1(GND) (plane layer: these items are gaps in the copper):
  rectangle: 3095.19,286 3458,417.4

## Silkscreen, mask and mechanical layers (free items; w line width, h text height)
TopOverlay:
  drawing of 1263 lines, arcs and shapes, not listed
  text "UART3" at 3252.13,3511 h39.37
  text "+12V" at 5354,3372.77 h40
  text "TX" at 3434.94,3329.09 h39.37 r90
  text "RX" at 3332.21,3327.27 h39.37 r90
  text "GND" at 3526.94,3302.09 h39.37 r90
  text "3V3" at 3235.94,3289.09 h39.37 r90
  text "GND" at 2728,3230 h39.37
  text "SCK" at 2082.44,3155 h39.37
  text "SDO" at 2082.44,3096.74 h39.37
  text "ADC0" at 2284,3043.02 h39.37 r90
  text "CNV" at 2105.3,3039.48 h39.37
  text "ON" at 875.43,2605 h39.37
  text "TERM0" at 563.98,2601.09 h39.37
  text "ON" at 467.56,2322.37 h39.37
  text "TERM1" at 224.41,2317.91 h39.37
  text "WUT ISE 2022" at 3302,2313.61 h40
  text "SCK" at 1938.44,2287.4 h39.37
  text "CPU ADC/ DAC header" at 2726.3,2258.3 h39.37 r90
  text "SDO" at 1938.44,2229.14 h39.37
  text "ADC1" at 2119,2175 h39.37 r90
  text "CNV" at 1938.44,2170.88 h39.37
  text "Stabilizer v1.3.4" at 3041.1,2141.13 h80
  text "CLRn" at 1769.45,1994.59 h39.37
  text "LDAC" at 1977.93,1827.29 h39.37
  text "EEM" at 5868,1728 h60
  text "DIN" at 2021.39,1711.31 h39.37
  text "DAC0" at 1594.44,1668.73 h39.37 r90
  text "CLK" at 2111.9,1642.54 h39.37
  text "CSn" at 2035.68,1563.44 h39.37
  text "LDAC" at 2023.97,1419.05 h39.37
  text "DIN" at 2019.62,1313.79 h39.37
  text "CLK" at 2110.98,1236 h39.37
  text "DAC1" at 1589.68,1212 h39.37 r90
  text "CSn" at 2023.97,1164.89 h39.37
  text "ADC/DAC header" at 617.05,1108.16 h39.37
  text "SCL" at 4009.61,1083.2 h39.37
  text "SDA" at 4008,1028.09 h39.37
  text "BOOT" at 4183.4,827 h39.37 r90
  text "CPU JTAG" at 3549,760 h39.37
  text "CPU GPIO header" at 2743.73,749 h39.37 r90
  text "1" at 3188,723 h39.37
  text "JTAG debuggers conflict with SPI3_NSS and must leave TDI Hi-Z" at 3053.27,680 h30 r90
  text "EEM Downstream" at 5736.32,238 h39.37
  text "/ Upstream" at 5740.26,155.09 h39.37
  text "7V" at 3216,86 h39.37 r90
  text "2V5" at 3515.87,73 h39.37 r90
  text "N12V" at 2813.69,57 h39.37 r90
  text "P12V" at 2914.48,57 h39.37 r90
  text "P5VA" at 3116.05,57 h39.37 r90
  text "P6VA" at 3317.63,57 h39.37 r90
  text "3V3A" at 3418.42,57 h39.37 r90
  text "P12VA" at 3014.31,43.26 h39.37 r90
  text "3V3 MP" at 3650.7,0.79 h39.37 r90
  text "N12V" at 2640.67,-132 h39.37
  text "P12VA" at 2812,-133 h39.37
  text "3V3" at 3213,-133 h39.37
  text "3V3MP" at 3360,-133 h39.37
  text "7V" at 3037.52,-134 h39.37
  text "GND" at 3498,-185 h39.37
  text "P12V" at 2738,-186 h39.37
  text "2V5A" at 3283,-188 h39.37
  text "P5VA" at 2924,-191 h39.37
  text "P6VA" at 3103.1,-191 h39.37
BottomOverlay:
  drawing of 1241 lines, arcs and shapes, not listed
  text "Stabilizer v1.3.4" at 4251.73,2344.02 h80
  text "WUT ISE 2022" at 3749.09,2208 h40
BottomSolder:
  rectangle: 1121,572 1189.42,641
Mechanical1:
  lines w3.94: -238,208.55 -140,110.55 -140,-217 6159,-217 6159,3720 -140,3720 -140,3405.05 -179.37,3365.68 -238,3307.05 -238,680.64 -33.27,680.64 -33.27,369.61 -203.61,369.61 -238,369.61 -238,209
Mechanical4:
  lines w3.94: -242.37,-777.56 -242.37,4398.44
  lines w10: -714.8,314.63 -714.8,3519.56
  lines w11.81: -121.02,1515.28 -71.1,1515.28 ; -121.02,2184.57 -71.1,2184.57 ; -104,2909 -100.08,2912.92 -41.57,2912.92 ; -91.49,922.76 -41.57,922.76 ; -91.49,1180.64 -41.57,1180.64 ; -91.49,1849.93 -41.57,1849.93 ; -91.49,2519.22 -41.57,2519.22 ; -91.49,2794.81 -41.57,2794.81 8,2794.81 ; -91.49,3188.51 -41.57,3188.51 ; -71.53,1576.77 -71.1,1576.35 -71.1,1515.28 ; -71.53,2246.06 -71.1,2245.64 -71.1,2184.57 ; -71.1,1462.2 -71.1,1515.28 ; -71.1,2131.49 -71.1,2184.57 ; -49.91,0 0,0 ; -43,2730 -41.57,2731.43 -41.57,2912.92 ; -42,984.25 -41.57,983.83 -41.57,922.76 ; -42,1242.13 -41.57,1241.7 -41.57,1180.64 ; -42,1911.42 -41.57,1910.99 -41.57,1849.93 ; -42,2580.71 -41.57,2580.28 -41.57,2519.22 ; -42,3250 -41.57,3249.57 -41.57,3188.51 ; -41.57,869.68 -41.57,922.76 ; -41.57,1127.55 -41.57,1180.64 ; -41.57,1796.84 -41.57,1849.93 ; -41.57,2466.13 -41.57,2519.22 ; -41.57,3000 -41.57,2912.92 ; -41.57,3135.43 -41.57,3188.51 ; -0.43,61.49 0,61.06 0,0 ; 0,-53.09 0,0 ; 1.98,1515.28 -71.1,1515.28 ; 1.98,2184.57 -71.1,2184.57 ; 8,2912.92 -41.57,2912.92 ; 31.51,922.76 -41.57,922.76 ; 31.51,1180.64 -41.57,1180.64 ; 31.51,1849.93 -41.57,1849.93 ; 31.51,2519.22 -41.57,2519.22 ; 31.51,3188.51 -41.57,3188.51 ; 73.09,0 0,0
DrillDrawing:
  drawing of 295 lines, arcs and shapes, not listed
  text "Layer" at 210.14,5204.48 h60
  text "Name" at 620.05,5204.48 h60
  text "Material" at 1489.81,5204.48 h60
  text "Thickness" at 2349.58,5204.48 h60
  text "Constant" at 2999.42,5204.48 h60
  text "Board Layer Stack" at 3569.28,5204.48 h60
  text "TopOverlay" at 620.05,5084.48 h60
  text "TopSolder" at 620.05,4964.48 h60
  text "Solder Resist" at 1489.81,4964.48 h60
  text "0,010mm" at 2349.58,4964.48 h60
  text "3.5" at 2999.42,4964.48 h60
  text "1" at 210.14,4844.48 h60
  text "Top" at 620.05,4844.48 h60
  text "0,058mm" at 2349.58,4844.48 h60
  text "Dielectric1" at 620.05,4724.48 h60
  text "FR-4" at 1489.81,4724.48 h60
  text "0,180mm" at 2349.58,4724.48 h60
  text "4.2" at 2999.42,4724.48 h60
  text "2" at 210.14,4604.48 h60
  text "GP1(GND)" at 620.05,4604.48 h60
  text "0,036mm" at 2349.58,4604.48 h60
  text "Dielectric 3" at 620.05,4484.48 h60
  text "FR-4" at 1489.81,4484.48 h60
  text "1,100mm" at 2349.58,4484.48 h60
  text "4.2" at 2999.42,4484.48 h60
  text "3" at 210.14,4364.48 h60
  text "L3" at 620.05,4364.48 h60
  text "0,036mm" at 2349.58,4364.48 h60
  text "Dielectric2" at 620.05,4244.48 h60
  text "FR-4" at 1489.81,4244.48 h60
  text "0,180mm" at 2349.58,4244.48 h60
  text "4.2" at 2999.42,4244.48 h60
  text "4" at 210.14,4124.48 h60
  text "Bot" at 620.05,4124.48 h60
  text "0,058mm" at 2349.58,4124.48 h60
  text "BottomSolder" at 620.05,4004.48 h60
  text "Solder Resist" at 1489.81,4004.48 h60
  text "0,010mm" at 2349.58,4004.48 h60
  text "3.5" at 2999.42,4004.48 h60
  text "BottomOverlay" at 620.05,3884.48 h60

## Text inside footprints (layer, text, board x,y; h text height)
IC17: TopOverlay "1" at 2811.97,327.91 h47.24; Mechanical14 "1" at 2811.97,327.91 h47.24
IC47: TopOverlay "2" at 5065.38,3443.92 h47.24 r180; TopOverlay "11" at 4172.57,3443.92 h47.24 r180; TopOverlay "14" at 4183.82,3001.4 h47.24 r180; TopOverlay "23" at 5086.41,3001.4 h47.24 r180
J3: TopOverlay "34" at 2602.8,149.73 h40 r270; Mechanical14 "34" at 2602.8,149.73 h40 r270
J4: TopOverlay "16" at 870.52,1465.88 h40 r270; Mechanical14 "16" at 870.52,1465.88 h40 r270
J12: TopOverlay "30" at 6043.13,604.79 h40 r270; Mechanical14 "30" at 6043.13,604.79 h40 r270
J13: TopOverlay "26" at 2392.79,3350.12 h40 r90; Mechanical14 "26" at 2392.79,3350.12 h40 r90
SW1A: TopOverlay "1" at 569.49,2905.17 h39.37; Mechanical14 "1" at 569.53,2905.37 h39.37
SW1B: TopOverlay "1" at 109.61,2264.04 h39.37; Mechanical14 "1" at 109.65,2264.23 h39.37